# Altium PCB WunderBar_v102b.PcbDoc (part 2 of 7) (continued)
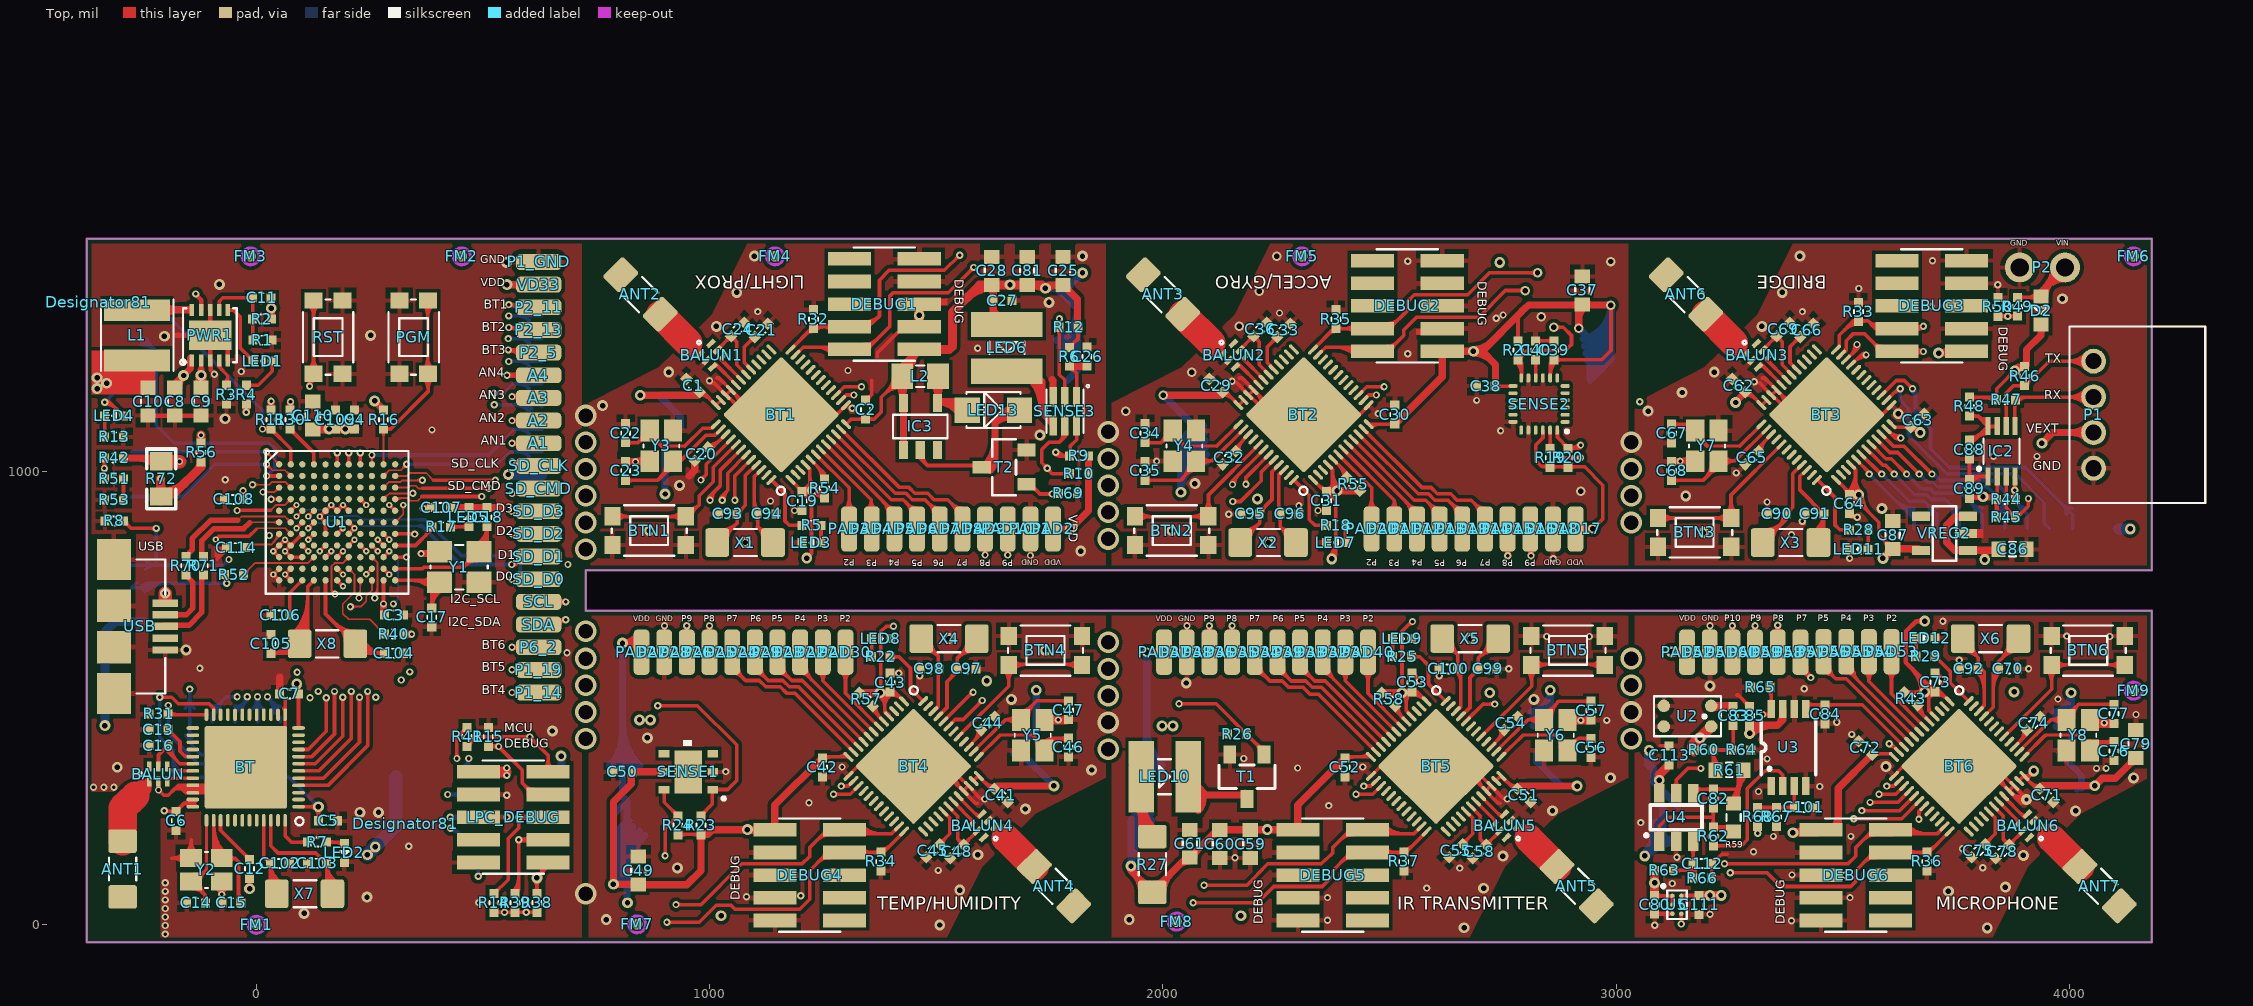
[diagram p0: Top view]
## Nets (pads, with @x,y where several pads share a name; then routed paths per layer and width w, separated by ;. In a path a pad name is that pad's centre, name@x,y a point inside that pad or via, vN(x,y) a via of type N, cw(c..) or ccw(c..) an arc to the next point about the centre after c; other vN are vias at no path point) (continued)
  Top w8: BT.4@92.62,307.48 157.48,307.48 245,395 v1(245,515) ; v1@242.17,512.17 cw(c235.34,505.34) 245,505.34 cw(c254.66,505.34) v1@247.83,512.17
  Route2 w4: v3@263.8,846.09 ccw(c255.27,837.56) 255.27,849.63 ccw(c255.27,861.7) v3@263.8,853.17 ; v3(267.34,849.63) 243.57,849.63 224.93,830.99 224.93,816.74 257.1,784.57 257.1,772.56 301.66,727.99 313.67,727.99
  Route2 w8: v1@242.17,517.83 ccw(c235.34,524.66) 245,524.66 ccw(c254.66,524.66) v1@247.83,517.83 ; v1(245,515) 245,620 320,695 320,721.67 313.67,727.99
BT_SPI_MOSI: BT.5 U1.J10 | length 809.3
  Top w4: U1.J10@280.14,811.24 v3(292.99,824.12) ; U1.J10@280.14,816.24 ccw(c280.14,828.26) v3@288.65,819.76 ; U1.J10@282.45,816.18 ccw(c276.82,825.94) v3@288.02,824.68 ; U1.J10@284.43,815.54 ccw(c275.86,824.12) v3@287.99,824.12 ; U1.J10@284.49,815.6 cw(c292.99,807.1) v3@292.99,819.12 ; U1.J10@285.11,813.59 cw(c294.87,807.96) v3@293.56,819.15 ; U1.J10@285.14,811.24 cw(c297.26,811.24) v3@288.69,819.8 ; 286.7,818.63 cw(c289.99,812.93) v3@291.69,819.29 ; 287.48,817.71 ccw(c281.64,821.08) v3@288.16,822.83
  Top w8: BT.5@92.62,323.48 147.48,323.48 227,403 v1(227,502) ; v1@224.17,499.17 cw(c217.34,492.34) 227,492.34 cw(c236.66,492.34) v1@229.83,499.17
  Route2 w8: v1@224.17,504.83 ccw(c217.34,511.66) 227,511.66 ccw(c236.66,511.66) v1@229.83,504.83 ; v1(227,502) 227,627 302,702 v1(302,708) ; 290.93,690.93 ccw(c273.86,708) v1@298,708
  Bottom w4: v3@292.99,819.12 cw(c292.99,807.05) 301.52,815.58 cw(c310.06,824.12) v3@297.99,824.12 ; v3(292.99,824.12) 312,805.11 312,718 ; v1(302,708) 312,718 ; v1@302.1,714 ccw(c302.34,727.66) 312,718 ; v1@308,708.1 cw(c321.66,708.34) 312,718
BT_SPI_SCK: BT.9 U1.L9 | length 586
  Top w4: v1(207,702) 230,702 242,714 242,725 254.55,737.55 U1.L9@254.55,760.07 ; v1@211.24,697.76 cw(c221.49,687.51) 221.49,702 cw(c221.49,716.49) v1@211.24,706.24 ; U1.L9@251.01,756.54 cw(c242.47,748) 254.55,748 cw(c266.62,748) U1.L9@258.08,756.54
  Top w8: BT.9@92.62,386.85 113.85,386.85 154,427 v1(154,501.01) ; v1@151.17,498.18 cw(c144.34,491.35) 154,491.35 cw(c163.66,491.35) v1@156.83,498.18
  Route2 w8: v1@151.17,503.84 ccw(c144.34,510.67) 154,510.67 ccw(c163.66,510.67) v1@156.83,503.84 ; v1(154,501.01) 154,640 207,693 ; 193.81,679.81 ccw(c171.62,702) v1@203,702 ; v1@204.32,699.03 cw(c198.88,693) 207,693 ; v1(207,702) 207,693 ; 207.46,693.46 ccw(c198.93,702) v1@211,702 ; v1@209.68,699.03 ccw(c215.12,693) 207,693
BT_SPI_SSEL: BT.7 U1.K9 | length 636.7
  Top w4: v3@241.8,778.34 ccw(c241.02,788.16) U1.K9@249.55,783.23 ; v3@242,773.1 U1.K9@254.55,785.65 ; v3@242.2,778.36 ccw(c242.2,790.58) U1.K9@250.84,781.94 ; v3@243.49,778.19 ccw(c245.43,785.42) 249.17,778.93 ; v3@247.03,774.65 cw(c253.98,776.52) 247.74,780.12 ; v3@247.18,772.92 cw(c257.05,772.04) U1.K9@252.09,780.62 ; v3@247.2,773.36 cw(c259.12,773.36) U1.K9@250.69,781.79 ; U1.K9@249.55,785.65 cw(c237.47,785.65) 246.01,777.11 cw(c254.55,768.57) U1.K9@254.55,780.65
  Top w8: BT.7@92.62,355.35 129.35,355.35 190.23,416.23 v1(190.23,502) ; v1@187.41,499.17 cw(c180.58,492.34) 190.23,492.34 cw(c199.89,492.34) v1@193.06,499.17
  Route2 w4: v3@238.66,769.82 cw(c230.6,761.76) 242,761.76 ; 242,712 v3@242,773.1 ; 242,760.81 cw(c254.74,760.81) v3@245.73,769.82
  Route2 w8: v1@187.41,504.83 ccw(c180.58,511.66) 190.23,511.66 ccw(c199.89,511.66) v1@193.06,504.83 ; v1(190.23,502) 190.23,630.57 242,682.33 242,712
  other v3: 242.2,773.36
BT_SWDCLK: BT1.24 BT2.24 BT3.24 BT4.24 BT5.24 BT6.24 BT.24 DEBUG1.4 DEBUG2.4 DEBUG3.4 DEBUG4.4 DEBUG5.4 DEBUG6.4 NRF_DEBUG.4 R31.2 R32.2 R33.2 R34.2 R35.2 R36.2 R37.2 U1.D8 | length 17017.4
  Top w4: U1.D8@228.96,934.2 cw(c228.96,922.08) v3@237.53,930.65 ; U1.D8@228.96,939.2 v3(241.77,926.41) ; U1.D8@231.32,934.23 cw(c225.78,924.63) v3@236.8,925.86 ; U1.D8@233.92,936.87 ccw(c243.54,942.42) v3@242.32,931.38 ; U1.D8@233.96,939.2 ccw(c245.99,939.2) v3@237.49,930.69 ; 235.33,931.92 ccw(c238.72,937.78) v3@240.47,931.24 ; 236.27,932.8 cw(c230.45,929.44) v3@236.94,927.7 ; v3@236.77,926.41 ccw(c224.7,926.41) 233.23,934.95 ccw(c241.77,943.48) v3@241.77,931.41
  Top w8: R31.2@-199.76,469.72 ccw(c-211.26,481.22) v1@-195,481.22 ; v1@-198.23,481.64 cw(c-205.21,476.53) R31.2@-196.86,474.29 ; v1@-197.83,481.17 cw(c-204.66,474.34) -195,474.34 cw(c-185.34,474.34) v1@-192.17,481.17 ; v1@-195,478.71 ccw(c-182.29,478.71) -191.28,469.72 ccw(c-176.55,484.45) -176.55,463.62 ; v1(-195,484) -195,466 R31.2@-195.52,465.48 -193.66,463.62 BT.24@-110.52,463.62 ; R31.2@-193.91,474.65 cw(c-187.37,476.4) v1@-192.17,481.18 ; R31.2@-191.28,461.24 cw(c-185.52,455.48) R31.2@-185.52,463.62 ; v1(905.48,5.48) 976.48,5.48 1014,43 1047,43 1055.5,34.5 1198.5,34.5 1220.48,56.48 1220.48,119.48 1251.48,150.48 1288.48,150.48 DEBUG4.4@1297.48,159.48 1382.48,159.48 BT4.24@1428.48,205.48 ; v1@908.31,2.65 cw(c915.14,-4.18) 915.14,5.48 cw(c915.14,15.14) v1@908.31,8.31 ; BT1.24@1178.48,1269.48 1224.48,1315.48 R32.2@1228.48,1315.48 1232.48,1319.48 1349.48,1319.48 1374.48,1343.48 1374.48,1422.48 1395.48,1444.48 1517.48,1444.48 v1(1551.48,1477.48) ; 1211.41,1302.41 cw(c1228.48,1285.34) R32.2@1228.48,1309.48 ; R32.2@1232.72,1311.24 cw(c1252.62,1291.34) 1252.62,1319.48 ; 1238.52,137.52 cw(c1264.98,111.06) DEBUG4.4@1264.98,148.48 ; 1249.38,148.38 ccw(c1238.29,159.48) DEBUG4.4@1253.98,159.48 ; DEBUG4.4@1252.18,151.18 cw(c1264.98,138.37) DEBUG4.4@1264.98,156.48 ; DEBUG1.4@1268.2,1311.7 ccw(c1249.42,1292.92) 1249.42,1319.48 ccw(c1249.42,1346.04) DEBUG1.4@1268.2,1327.26 ; DEBUG4.4@1337.76,151.7 cw(c1356.54,132.92) 1356.54,159.48 cw(c1356.54,186.04) DEBUG4.4@1337.76,167.26 ; DEBUG1.4@1341.05,1322.48 ccw(c1341.71,1349.53) 1360.45,1330.01 ; DEBUG1.4@1341.25,1330.48 ccw(c1342.37,1376.58) 1374.31,1343.31 ; 1360.58,159.48 ccw(c1360.58,177.38) R34.2@1373.24,164.72 ; 1365.41,159.48 cw(c1365.41,148.41) R34.2@1373.24,156.24 ; R34.2@1377.48,166.48 ccw(c1377.48,195.45) 1397.97,174.97 ; v1@1547.48,1477.54 cw(c1537.82,1477.68) 1544.55,1470.75 cw(c1551.28,1463.82) v1@1551.42,1473.48 ; v1(2066.48,48.48) 2208.48,48.48 2244.48,84.48 2351.48,84.48 2374.48,107.48 2374.48,119.48 2414.48,159.48 2535.48,159.48 BT5.24@2581.48,205.48 ; v1@2069.31,45.65 cw(c2076.14,38.82) 2076.14,48.48 cw(c2076.14,58.14) v1@2069.31,51.31 ; BT2.24@2331.48,1269.48 2377.48,1315.48 R35.2@2381.48,1315.48 DEBUG2.4@2462.48,1315.48 2499.48,1315.48 2539.48,1355.48 2539.48,1375.48 2554.48,1390.48 2672.48,1390.48 2720.48,1438.48 v6(2826.48,1438.48) ; 2364.41,1302.41 cw(c2381.48,1285.34) R35.2@2381.48,1309.48 ; R35.2@2385.72,1311.24 cw(c2395.97,1300.99) 2395.97,1315.48 cw(c2395.97,1329.97) R35.2@2385.72,1319.72 ; 2392.52,137.52 cw(c2418.98,111.06) DEBUG5.4@2418.98,148.48 ; 2403.38,148.38 ccw(c2392.29,159.48) DEBUG5.4@2407.98,159.48 ; DEBUG5.4@2406.18,151.18 cw(c2418.98,138.37) DEBUG5.4@2418.98,156.48 ; DEBUG2.4@2422.2,1307.7 ccw(c2403.42,1288.92) 2403.42,1315.48 ccw(c2403.42,1342.04) DEBUG2.4@2422.2,1323.26 ; DEBUG5.4@2491.76,151.7 cw(c2510.54,132.92) 2510.54,159.48 cw(c2510.54,186.04) DEBUG5.4@2491.76,167.26 ; DEBUG2.4@2494.98,1318.48 ccw(c2494.98,1336.59) DEBUG2.4@2507.78,1323.78 ; DEBUG2.4@2494.98,1326.48 ccw(c2494.98,1363.9) 2521.44,1337.44 ; DEBUG2.4@2505.98,1315.48 cw(c2521.67,1315.48) 2510.58,1326.58 ; 2514.58,159.48 ccw(c2514.58,177.38) R37.2@2527.24,164.72 ; 2519.41,159.48 cw(c2519.41,148.41) R37.2@2527.24,156.24 ; R37.2@2531.48,166.48 ccw(c2531.48,193.04) 2550.26,174.26 ; v6@2821.88,1433.88 ccw(c2810.79,1422.79) 2810.79,1438.48 ccw(c2810.79,1454.17) v6@2821.88,1443.08 ; v1(3252,115) 3333,115 3363.5,84.5 3517.5,84.5 3528.5,95.5 3528.5,119.5 3559.5,150.5 3602.5,150.5 3611.5,159.5 R36.2@3685.5,159.5 ; v1@3254.83,112.17 cw(c3261.66,105.34) 3261.66,115 cw(c3261.66,124.66) v1@3254.83,117.83 ; BT3.24@3485.48,1269.48 3492.48,1276.48 3492.48,1300.48 3523.48,1332.48 ; 3503.79,1312.15 cw(c3535.27,1281.65) R33.2@3534.58,1325.48 ; 3517.23,1326.02 cw(c3534.84,1308.96) R33.2@3534.45,1333.48 ; R33.2@3529.04,1328.94 ccw(c3523.48,1326.34) 3523.48,1332.48 ; R33.2@3529.96,1335.43 cw(c3523.48,1341.08) 3523.48,1332.48 ; R33.2@3538.72,1327.24 cw(c3551.38,1314.58) 3551.38,1332.48 ; R33.2@3538.72,1335.72 ccw(c3546.55,1343.55) 3546.55,1332.48 ; 3546.53,137.53 cw(c3572.99,111.07) DEBUG6.4@3572.99,148.49 ; 3555.01,1332.98 ccw(c3574.73,1351.54) DEBUG3.4@3583.44,1325.9 ; 3557.39,148.39 ccw(c3546.3,159.49) DEBUG6.4@3561.99,159.49 ; DEBUG6.4@3560.19,151.19 cw(c3572.99,138.38) DEBUG6.4@3572.99,156.49 ; 3563.54,1323.92 ccw(c3579.13,1338.6) DEBUG3.4@3586.02,1318.32 ; DEBUG3.4@3576.6,1311.85 ccw(c3571.48,1310.06) 3571.48,1315.48 ; DEBUG3.4@3576.6,1319.11 cw(c3571.48,1320.9) 3571.48,1315.48 ; DEBUG6.4@3645.77,151.71 cw(c3664.57,132.91) 3664.57,159.5 ; DEBUG6.4@3645.77,167.27 ccw(c3664.52,186.02) 3664.52,159.5 ; DEBUG3.4@3656.27,1315.48 ccw(c3656.27,1342.21) v1@3675.17,1323.31 ; DEBUG3.4@3661.02,1309.21 cw(c3673,1300.9) v1@3673,1315.48 ; DEBUG3.4@3661.02,1321.75 ccw(c3673,1330.06) v1@3673,1315.48 ; 3668.6,159.5 ccw(c3668.6,177.4) R36.2@3681.25,164.74 ; 3673.43,159.5 cw(c3673.43,148.43) R36.2@3681.25,156.26 ; v1(3678,1320.48) v1@3673,1315.48 ; R36.2@3685.5,160.5 3690.54,160.5 BT6.24@3733,202.96 ; R36.2@3685.5,166.5 ccw(c3685.5,193.15) 3704.34,174.3 ; BT6.24@3735.52,205.48 BT6.24@3733,202.96 ; BT6.24@3735.87,205.84 BT6.24@3733,202.96 ; 3523.48,1332.48 3555.48,1332.48 3571.48,1315.48 ; 3571.48,1315.48 v1@3673,1315.48
  Route2 w4: v3@241.77,921.41 cw(c241.77,909.34) 250.3,917.88 cw(c258.84,926.41) v3@246.77,926.41 ; v3(241.77,926.41) 307.89,860.29 307.89,807.11 362,753
  Route2 w8: v1@335.17,560.83 ccw(c328.34,567.66) 338,567.66 ccw(c347.66,567.66) v1@340.83,560.83 ; v1(338,558) 338,612 362,636 362,753 ; v1@683,795 cw(c673.34,795) 680.17,788.17 cw(c687,781.34) v1@687,791 ; v1(687,795) 645.48,753.48 645.48,497.48 673.48,469.48 v4(726.48,469.48) ; v4@714.81,457.81 ccw(c686.65,429.65) 686.65,469.48 ccw(c686.65,509.31) v4@714.81,481.15 ; v4@720.47,463.47 ccw(c705.96,448.96) 705.96,469.48 ccw(c705.96,490) v4@720.47,475.49
  Route15 w8: v1(-195,484) 75,484 144,553 ; v1@-192.17,481.17 cw(c-185.34,474.34) -185.34,484 cw(c-185.34,493.66) v1@-192.17,486.83 ; 144,558 488,558 576.52,469.48 v4(726.48,469.48) v4@748.48,469.48 ; v1@335.17,555.17 ccw(c328.34,548.34) 328.34,558 ccw(c328.34,567.66) v1@335.17,560.83 ; v1@340.83,555.17 cw(c347.66,548.34) 347.66,558 cw(c347.66,567.66) v1@340.83,560.83 ; v1@684.17,797.83 ccw(c677.34,804.66) 687,804.66 ccw(c696.66,804.66) v1@689.83,797.83 ; v1(687,795) 687,978.91 ; 697.31,989.22 cw(c718.23,968.29) v4@724.64,997.18 ; v4@713.57,1005.48 687,978.91 ; v4@714.81,457.81 ccw(c686.65,429.65) 686.65,469.48 ccw(c686.65,509.31) v4@714.81,481.15 ; v4@720.47,463.47 ccw(c705.96,448.96) 705.96,469.48 ccw(c705.96,490) v4@720.47,475.49 ; v4@722.91,989.37 ccw(c714.49,951.42) 687,978.91 ; v4(726.48,1005.48) 733.96,998 847,998 1326.48,1477.48 v1(1551.48,1477.48) 1748.48,1477.48 1830.48,1395.48 1830.48,997.48 ; v4@726.68,469.02 cw(c736.53,445.96) 754.27,463.69 ; v4@726.83,1005.83 ccw(c745.75,1024.75) v4@745.75,998 ; v4@729.82,461.66 cw(c741.54,434.23) 762.63,455.33 ; v4@732.49,1011.49 ccw(c765.06,1044.06) 765.06,998 ; v4@732.96,454.31 cw(c746.55,422.51) 771,446.96 ; v4@738.15,993.81 cw(c748.26,983.7) v4@748.26,998 ; v4@738.15,1017.15 ccw(c784.37,1063.37) 784.37,998 ; v4@742.32,464.86 cw(c748.48,463.06) v4@748.48,469.48 ; v4@742.32,474.1 ccw(c748.48,475.9) v4@748.48,469.48 ; 901.48,24.79 ccw(c924.79,24.79) 908.31,8.31 ccw(c915.14,15.14) 915.14,5.48 ccw(c915.14,-4.18) v1@908.31,2.65 ; v1@1548.65,1474.65 ccw(c1541.82,1467.82) 1541.82,1477.48 ccw(c1541.82,1487.14) v1@1548.65,1480.31 ; v1@1554.31,1474.65 cw(c1561.14,1467.82) 1561.14,1477.48 cw(c1561.14,1487.14) v1@1554.31,1480.31 ; 1840.31,987.65 ccw(c1867.45,1014.8) v4@1877.3,977.7 ; 1850.13,977.83 ccw(c1871.57,999.27) v4@1879.35,969.96 ; v4@1863.45,965.58 ccw(c1858.48,964.37) v4@1858.48,969.48 ; v4@1863.45,973.38 cw(c1858.48,974.59) v4@1858.48,969.48 ; v4@1867.81,493.81 ccw(c1839.65,465.65) 1839.65,505.48 ccw(c1839.65,545.31) v4@1867.81,517.15 ; v4@1873.47,499.47 ccw(c1858.96,484.96) 1858.96,505.48 ccw(c1858.96,526) v4@1873.47,511.49 ; v4@1875.25,985.43 cw(c1863.33,1030.33) 1830.48,997.48 ; v4@1877.89,512.81 cw(c1883.21,488.34) v4@1900.91,506.05 ; v4@1879.59,504.99 cw(c1886.91,471.32) 1911.28,495.68 ; v4@1881.29,497.17 cw(c1890.61,454.3) 1921.64,485.32 ; v4@1882.99,489.36 cw(c1894.31,437.27) 1932,474.96 ; v4@1885.49,963.47 cw(c1900,948.96) 1900,969.48 cw(c1900,990) v4@1885.49,975.49 ; v4@1891.15,957.81 cw(c1919.31,929.65) 1919.31,969.48 cw(c1919.31,1009.31) v4@1891.15,981.15 ; v4@1895.32,500.86 cw(c1901.48,499.06) v4@1901.48,505.48 ; v4@1895.32,510.1 ccw(c1901.48,511.9) v4@1901.48,505.48 ; v1@2062.48,48.48 ccw(c2052.82,48.48) 2059.65,55.31 ccw(c2066.48,62.14) v1@2066.48,52.48 ; v1@2069.31,45.65 cw(c2076.14,38.82) 2076.14,48.48 cw(c2076.14,58.14) v1@2069.31,51.31 ; v6@2821.88,1433.88 ccw(c2810.79,1422.79) 2810.79,1438.48 ccw(c2810.79,1454.17) v6@2821.88,1443.08 ; v6@2831.08,1433.88 cw(c2842.17,1422.79) 2842.17,1438.48 cw(c2842.17,1454.17) v6@2831.08,1443.08 ; 2984.96,973 ccw(c3028.83,1016.87) v4@3032.92,954.96 ; 2997.44,960.52 ccw(c3030.38,993.46) v4@3033.45,946.98 ; v4@3009.91,948.05 ccw(c3031.92,970.05) v4@3033.97,939 ; v4@3017.64,941.86 ccw(c3011.48,940.06) v4@3011.48,946.48 ; v4@3017.64,951.1 cw(c3011.48,952.9) v4@3011.48,946.48 ; v4@3021.81,516.81 ccw(c2993.65,488.65) 2993.65,528.48 ccw(c2993.65,568.31) v4@3021.81,540.15 ; v4@3027.47,522.47 ccw(c3012.96,507.96) 3012.96,528.48 ccw(c3012.96,549) v4@3027.47,534.49 ; v4@3032.39,962.94 cw(c3027.29,1040.28) 2972.48,985.48 ; v4@3033.48,511.98 cw(c3033.48,419.03) 3099.2,484.76 ; v4@3033.48,519.98 cw(c3033.48,446.35) 3085.55,498.41 ; v4@3033.48,527.98 cw(c3033.48,473.66) 3071.89,512.07 ; v4@3033.48,535.98 cw(c3033.48,500.97) 3058.23,525.73 ; v4@3039.49,940.47 cw(c3054,925.96) 3054,946.48 cw(c3054,967) v4@3039.49,952.49 ; v4@3045.15,934.81 cw(c3073.31,906.65) 3073.31,946.48 cw(c3073.31,986.31) v4@3045.15,958.15 ; v4@3049.32,523.86 cw(c3055.48,522.06) v4@3055.48,528.48 ; v4@3049.32,533.1 ccw(c3055.48,534.9) v4@3055.48,528.48 ; v1@3249.17,112.17 ccw(c3242.34,105.34) 3242.34,115 ccw(c3242.34,124.66) v1@3249.17,117.83 ; v1(3252,115) 3232,115 3138,209 3138,445.96 v4@3055.48,528.48 ; v1@3674,1320.48 ccw(c3664.34,1320.48) 3671.17,1327.31 ccw(c3678,1334.14) v1@3678,1324.48 ; v1(3678,1320.48) 3658.48,1340 3484,1340 3090.48,946.48 v4(3033.48,946.48) v4@3011.48,946.48 ; v4@748.48,469.48 771,446.96 ; 771,446.96 771,174.96 901.48,44.48 901.48,9.48 v1(905.48,5.48) 925.48,5.48 964,44 1326,44 1787.48,505.48 v4(1879.48,505.48) v4@1901.48,505.48 ; 1830.48,997.48 v4@1858.48,969.48 ; v4@1858.48,969.48 v4(1879.48,969.48) 1972.48,969.48 2397.48,1395.48 2748.48,1395.48 2791.48,1438.48 v6(2826.48,1438.48) 2858.48,1438.48 2972.48,1324.48 2972.48,985.48 ; v4@1901.48,505.48 1932,474.96 ; 1932,474.96 1932,182.96 v1(2066.48,48.48) 2102.48,48.48 2153.48,99.48 2530.48,99.48 2959.48,528.48 v4(3033.48,528.48) v4@3055.48,528.48 ; 2972.48,985.48 v4@3011.48,946.48
  Bottom w8: v1@-197.83,481.17 cw(c-204.66,474.34) -195,474.34 cw(c-185.34,474.34) v1@-192.17,481.17 ; v1(-195,484) -195,422 -128.48,355.48 -96.52,355.48 -82.52,341.48 -82.52,296.48 ; NRF_DEBUG.4@-111.71,278.46 ccw(c-109.5,299.71) -94.4,284.6 ; NRF_DEBUG.4@-110.88,286.42 ccw(c-107.26,321.22) -82.52,296.48 ; NRF_DEBUG.4@-108.52,275.48 -107.52,276.48 -102.52,276.48 -82.52,296.48
BT_SWDIO: BT.23 NRF_DEBUG.2 U1.H5 | length 1271.3
  Top w4: v3@138.84,829.04 ccw(c137.62,840.05) U1.H5@147.21,834.51 ; v3(139.39,824.07) U1.H5@152.18,836.86 ; v3@139.39,829.07 ccw(c139.39,841.14) 147.93,832.61 ccw(c156.46,824.07) v3@144.39,824.07 ; v3@140.68,828.9 ccw(c142.43,835.43) 145.81,829.58 ; v3@144.22,825.37 cw(c150.75,827.12) 144.9,830.5 ; v3@144.36,823.52 cw(c155.37,822.31) U1.H5@149.83,831.9 ; U1.H5@147.18,836.86 cw(c135.1,836.86) 143.64,828.32 cw(c152.18,819.79) U1.H5@152.18,831.86
  Top w8: v1(-213.52,502) -187,502 -173,488 -105,488 -94.52,477.52 BT.23@-94.52,463.48 ; v1@-210.69,499.17 cw(c-203.86,492.34) -203.86,502 cw(c-203.86,511.66) v1@-210.69,504.83 ; -97.28,480.28 cw(c-103.93,473.62) BT.23@-94.52,473.62
  Route2 w4: v3@135.85,820.54 cw(c127.32,812) 139.39,812 cw(c151.46,812) v3@142.93,820.54 ; 139.39,721.77 v3(139.39,824.07)
  Route2 w8: v1(89.48,557.48) 100,568 100,645 139.39,684.39 139.39,721.77
  Route15 w8: v1(-213.52,502) -70,502 -51,521 47,521 83.48,557.48 v1(89.48,557.48) ; v1@-210.69,499.17 cw(c-203.86,492.34) -203.86,502 cw(c-203.86,511.66) v1@-210.69,504.83
  Bottom w8: v1@-216.35,499.17 cw(c-223.18,492.34) -213.52,492.34 cw(c-203.86,492.34) v1@-210.69,499.17 ; v1(-213.52,502) -213.52,413.48 -183.52,383.48 NRF_DEBUG.2@-183.52,330.48 ; NRF_DEBUG.2@-182.66,334.92 ccw(c-188.27,344.32) -178.79,349.8 ; NRF_DEBUG.2@-178.56,328.06 ccw(c-184.11,337.35) -174.73,342.77 ; NRF_DEBUG.2@-123.52,325.48 NRF_DEBUG.2@-108.52,325.48 ; -183.52,348.42 ccw(c-154.08,348.42) -174.9,327.6 cw(c-154.08,348.42) -183.52,348.42 ; -183.52,367.73 ccw(c-134.77,367.73) -169.24,333.26 cw(c-134.77,367.73) -183.52,367.73
BT_XL1: BT.46 C103.2 X7.1 | length 440.6
  Top w8: BT.46@31.6,230.48 31.6,174.36 47.48,158.48 130.48,158.48 C103.2@154.48,135.48 ; C103.2@148.48,135.35 ccw(c134,135.04) 144.02,145.5 ccw(c154.04,155.96) C103.2@154.35,141.48 ; C103.2@150.24,131.24 cw(c139.99,120.99) 154.48,120.99 cw(c168.97,120.99) C103.2@158.72,131.24 ; 154.48,107.38 ccw(c187.32,107.38) X7.1@170.57,79.14 ; 154.48,121.43 ccw(c195.65,121.43) X7.1@174.65,86.02 ; X7.1@167.5,68.48 154.48,81.48 C103.2@154.48,135.48 ; X7.1@178.73,92.9 cw(c203.98,135.48) C103.2@154.48,135.48
BT_XL2: BT.45 C102.2 X7.2 | length 349.6
  Top w8: BT.45@15.85,230.48 15.85,150.11 C102.2@30.48,135.48 ; C102.2@24.48,135.48 ccw(c9.99,135.48) 20.24,145.72 ccw(c30.48,155.97) C102.2@30.48,141.48 ; C102.2@26.24,131.24 cw(c15.99,120.99) 30.48,120.99 cw(c44.97,120.99) C102.2@34.72,131.24 ; 30.48,108.15 ccw(c63.66,108.15) X7.2@47.42,79.21 ; 30.48,121.81 ccw(c71.34,121.81) X7.2@51.33,86.19 ; X7.2@45.48,68.48 30.48,83.48 C102.2@30.48,135.48 ; X7.2@55.25,93.16 cw(c79.01,135.48) C102.2@30.48,135.48
CHARGE_FB: C11.2 PWR1.7 R1.2 R2.1 | length 303.6
  Top w8: PWR1.7@-82.52,1356.48 -82.52,1375.48 -74.52,1383.48 -8.52,1383.48 -8.52,1336.48 R1.2@-8.52,1289.96 ; C11.2@-13.76,1387.72 cw(c-24.01,1397.97) -24.01,1383.48 cw(c-24.01,1368.99) -13.76,1379.24 cw(c-26.42,1366.58) -8.52,1366.58 ; R2.1@-13.43,1332.24 cw(c-25.29,1320.38) -8.52,1320.38 ; R2.1@-13.43,1340.72 ccw(c-25.29,1352.58) -8.52,1352.58 ; R1.2@-12.24,1294.2 ccw(c-21.23,1303.19) -8.52,1303.19 ; -8.52,1305.7 ccw(c7.74,1305.7) R1.2@-3.76,1294.2 ; -8.52,1323.61 cw(c3.68,1323.61) R2.1@-4.95,1332.24 ; -8.52,1349.35 ccw(c3.68,1349.35) R2.1@-4.95,1340.72 ; -8.52,1371.41 cw(c2.55,1371.41) C11.2@-5.28,1379.24
CHARGE_LED: LED1.K PWR1.6 | length 164.9
  Top w8: PWR1.6@-62.52,1356.48 -51.02,1356.48 -36.38,1341.84 -36.38,1273.01 LED1.K@-7.29,1243.92 ; LED1.K@-13.29,1243.92 ccw(c-27.78,1243.92) -17.53,1254.16 ccw(c-7.29,1264.41) LED1.K@-7.29,1249.92
CHARGE_LED2: LED1.A R4.1 | length 137.7
  Top w8: R4.1@-22.52,1190.48 3.48,1190.48 34.38,1221.38 LED1.A@34.38,1243.92 ; R4.1@-18.28,1186.24 cw(c-8.03,1175.99) -8.03,1190.48 cw(c-8.03,1204.97) R4.1@-18.28,1194.72 ; LED1.A@30.14,1239.68 cw(c19.89,1229.44) 34.38,1229.44 cw(c48.86,1229.44) LED1.A@38.62,1239.68
CHARGE_PROG: PWR1.4 R3.2 | length 93.9
  Top w8: PWR1.4@-82.52,1244.48 -82.52,1230.52 -63.5,1211.5 ; PWR1.4@-81.83,1236.37 ccw(c-66.06,1236.37) -77.21,1225.21 ; R3.2@-70.65,1194.83 ccw(c-86.5,1211.5) -63.5,1211.5 ; R3.2@-63.5,1189.5 -63.5,1211.5
CHARGE_SW: L1.1 PWR1.10 | length 178.2
  Top w16: L1.1@-263.52,1357 PWR1.10@-146,1357 ; L1.1@-203.21,1344.92 cw(c-174.04,1315.76) -174.04,1357 ; L1.1@-203.21,1367.55 ccw(c-177.74,1393.01) -177.74,1357
CONVERTER_EN: BT6.17 R65.1 U3.8 | length 639.2
  Top w8: v5(3323,464) 3337,464 3342,469 U3.8@3342,476.32 3342,521.08 R65.1@3339,524.08 ; v5@3325.83,461.17 cw(c3332.66,454.34) 3332.66,464 cw(c3332.66,473.66) v5@3325.83,466.83 ; v5@3325.85,466.81 ccw(c3331.3,472.17) 3333.28,464.78 ; v5@3330.35,464 ccw(c3330.35,476.22) U3.8@3338.99,467.58 ; 3333.12,464 cw(c3333.12,455.7) U3.8@3338.99,461.57 ; R65.1@3334.75,519.84 cw(c3317.27,502.35) 3342,502.35 ; U3.8@3338.99,491.08 ccw(c3331.73,498.33) 3342,498.33 ccw(c3352.26,498.33) U3.8@3345,491.08 ; v5(3542,252) 3625.59,252 BT6.17@3657.65,284.06 ; v5@3544.83,249.17 cw(c3551.66,242.34) 3551.66,252 cw(c3551.66,261.66) v5@3544.83,254.83
  Route2 w8: v5@3323,460 cw(c3323,433.44) 3341.78,452.22 ; v5(3323,464) 3330,464 v5(3542,252) ; v5@3538,252 ccw(c3528.34,252) 3535.17,258.83 ccw(c3542,265.66) v5@3542,256
DEC1: BT.39 C12.1 | length 135.3
  Top w8: BT.39@-79.52,230.48 -79.52,208.48 C12.1@-15.52,144.48 ; -26,154.96 cw(c-36.8,144.15) C12.1@-21.52,144.15 ; -25.2,154.16 ccw(c-15.52,163.84) C12.1@-15.52,150.15
DEC2: BT.29 C13.1 | length 127.2
  Top w8: C13.1@-195.85,424.48 cw(c-195.85,409.2) -185.04,420 ; C13.1@-195.52,430.48 -169,403.96 -169,382.96 -157.14,371.1 BT.29@-140.52,371.1 ; C13.1@-189.85,430.48 ccw(c-176.16,430.48) -185.84,420.8 ; -161.82,375.78 ccw(c-150.52,387.09) BT.29@-150.52,371.1
DEC3: BT1.39 C20.1 | length 97.5
  Top w8: C20.1@995.48,1053.48 1006.48,1053.48 BT1.39@1036.48,1082.48 ; C20.1@996.06,1051.1 ccw(c996.38,1069.96) 1009.5,1056.4 ; C20.1@996.2,1059.09 ccw(c996.84,1097.27) 1023.38,1069.82
DEC4: BT1.29 C21.1 | length 110.8
  Top w8: 1086.92,1285.92 cw(c1098.86,1273.97) C21.1@1098.86,1290.86 ; 1089.33,1288.33 ccw(c1080.79,1296.86) C21.1@1092.86,1296.86 ; BT1.29@1091.48,1224.48 1076.48,1240.48 1076.48,1275.48 C21.1@1098.48,1297.48
DEC5: BT2.39 C32.1 | length 85.6
  Top w8: C32.1@2159.1,1045.06 cw(c2173.2,1045.31) C32.1@2163.05,1055.11 ; C32.1@2161.48,1045.48 2161.48,1053.48 BT2.39@2189.48,1082.48 ; C32.1@2167.09,1045.2 cw(c2200.51,1045.79) 2176.47,1069
DEC6: BT2.29 C33.1 | length 110.8
  Top w8: BT2.29@2245.48,1224.48 2230.48,1240.48 2230.48,1275.48 C33.1@2252.48,1297.48 ; C33.1@2245.86,1296.86 cw(c2231.38,1296.86) 2241.62,1286.62 cw(c2251.86,1276.38) C33.1@2251.86,1290.86
DEC7: BT4.39 C44.1 | length 85.6
  Top w8: BT4.39@1570.48,392.48 1598.48,421.48 C44.1@1598.48,429.48 ; 1583.49,405.96 ccw(c1559.45,429.17) C44.1@1592.87,429.76 ; C44.1@1596.91,419.85 ccw(c1586.76,429.65) C44.1@1600.86,429.9
DEC8: BT4.29 C45.1 | length 110.8
  Top w8: C45.1@1506.96,184.09 ccw(c1506.59,200.98) 1518.79,189.3 ; C45.1@1507.48,177.48 1529.48,200.48 1529.48,235.48 BT4.29@1514.48,250.48 ; C45.1@1513.09,178.23 cw(c1525.18,178.5) 1516.44,186.85
DEC9: BT5.39 C54.1 | length 86.9
  Top w8: BT5.39@2723.48,392.48 2752.48,421.48 C54.1@2752.48,429.48 ; 2736.97,405.97 ccw(c2713.07,429.86) C54.1@2746.86,429.86 ; C54.1@2750.62,419.62 ccw(c2740.38,429.86) C54.1@2754.86,429.86
DEC10: BT5.29 C55.1 | length 111.5
  Top w8: C55.1@2660.96,184.09 ccw(c2660.59,200.98) 2672.79,189.3 ; C55.1@2661.48,177.48 2683.48,200.48 2683.48,235.48 BT5.29@2667.48,250.48 ; C55.1@2667.09,178.23 cw(c2679.18,178.5) 2670.44,186.85
DEC11: BT3.39 C65.1 | length 86.9
  Top w8: C65.1@3312.1,1045.1 cw(c3326.58,1045.1) C65.1@3316.34,1055.34 ; C65.1@3314.48,1045.48 3314.48,1053.48 BT3.39@3343.48,1082.48 ; C65.1@3320.1,1045.1 cw(c3353.89,1045.1) 3330,1069
DEC12: BT3.29 C66.1 | length 110.8
  Top w8: 3393.92,1285.92 cw(c3405.86,1273.97) C66.1@3405.86,1290.86 ; 3396.33,1288.33 ccw(c3387.79,1296.86) C66.1@3399.86,1296.86 ; BT3.29@3398.48,1224.48 3383.48,1240.48 3383.48,1275.48 C66.1@3405.48,1297.48
DEC13: BT6.39 C74.1 | length 98.8
  Top w8: BT6.39@3878.81,392.61 3906.49,420.29 C74.1@3906.49,429.49 ; 3889.74,403.55 ccw(c3863.8,429.49) C74.1@3900.49,429.49 ; 3903.4,417.2 ccw(c3891.12,429.49) C74.1@3908.49,429.49 ; C74.1@3906.11,421.11 C74.1@3906.11,429.11
DEC14: BT6.29 C75.1 | length 110.8
  Top w8: C75.1@3813.96,184.09 ccw(c3813.59,200.98) 3825.79,189.3 ; C75.1@3814.48,177.48 3836.48,200.48 3836.48,235.48 BT6.29@3821.48,250.48 ; C75.1@3820.09,178.23 cw(c3832.18,178.5) 3823.44,186.85